# Altium PCB dvrk-s-pwm.PcbDoc (part 2 of 5)
Units mm, origin at the board's own origin, x right, y up, seen from the top; angles counter-clockwise.
Board outline 124 x 180 mm, 4 copper layers (Component Side, Ground Plane, Power Plane, Solder Side), stack 1.584 mm thick; 325 components, 238 nets, 1291 pads, 758 vias.
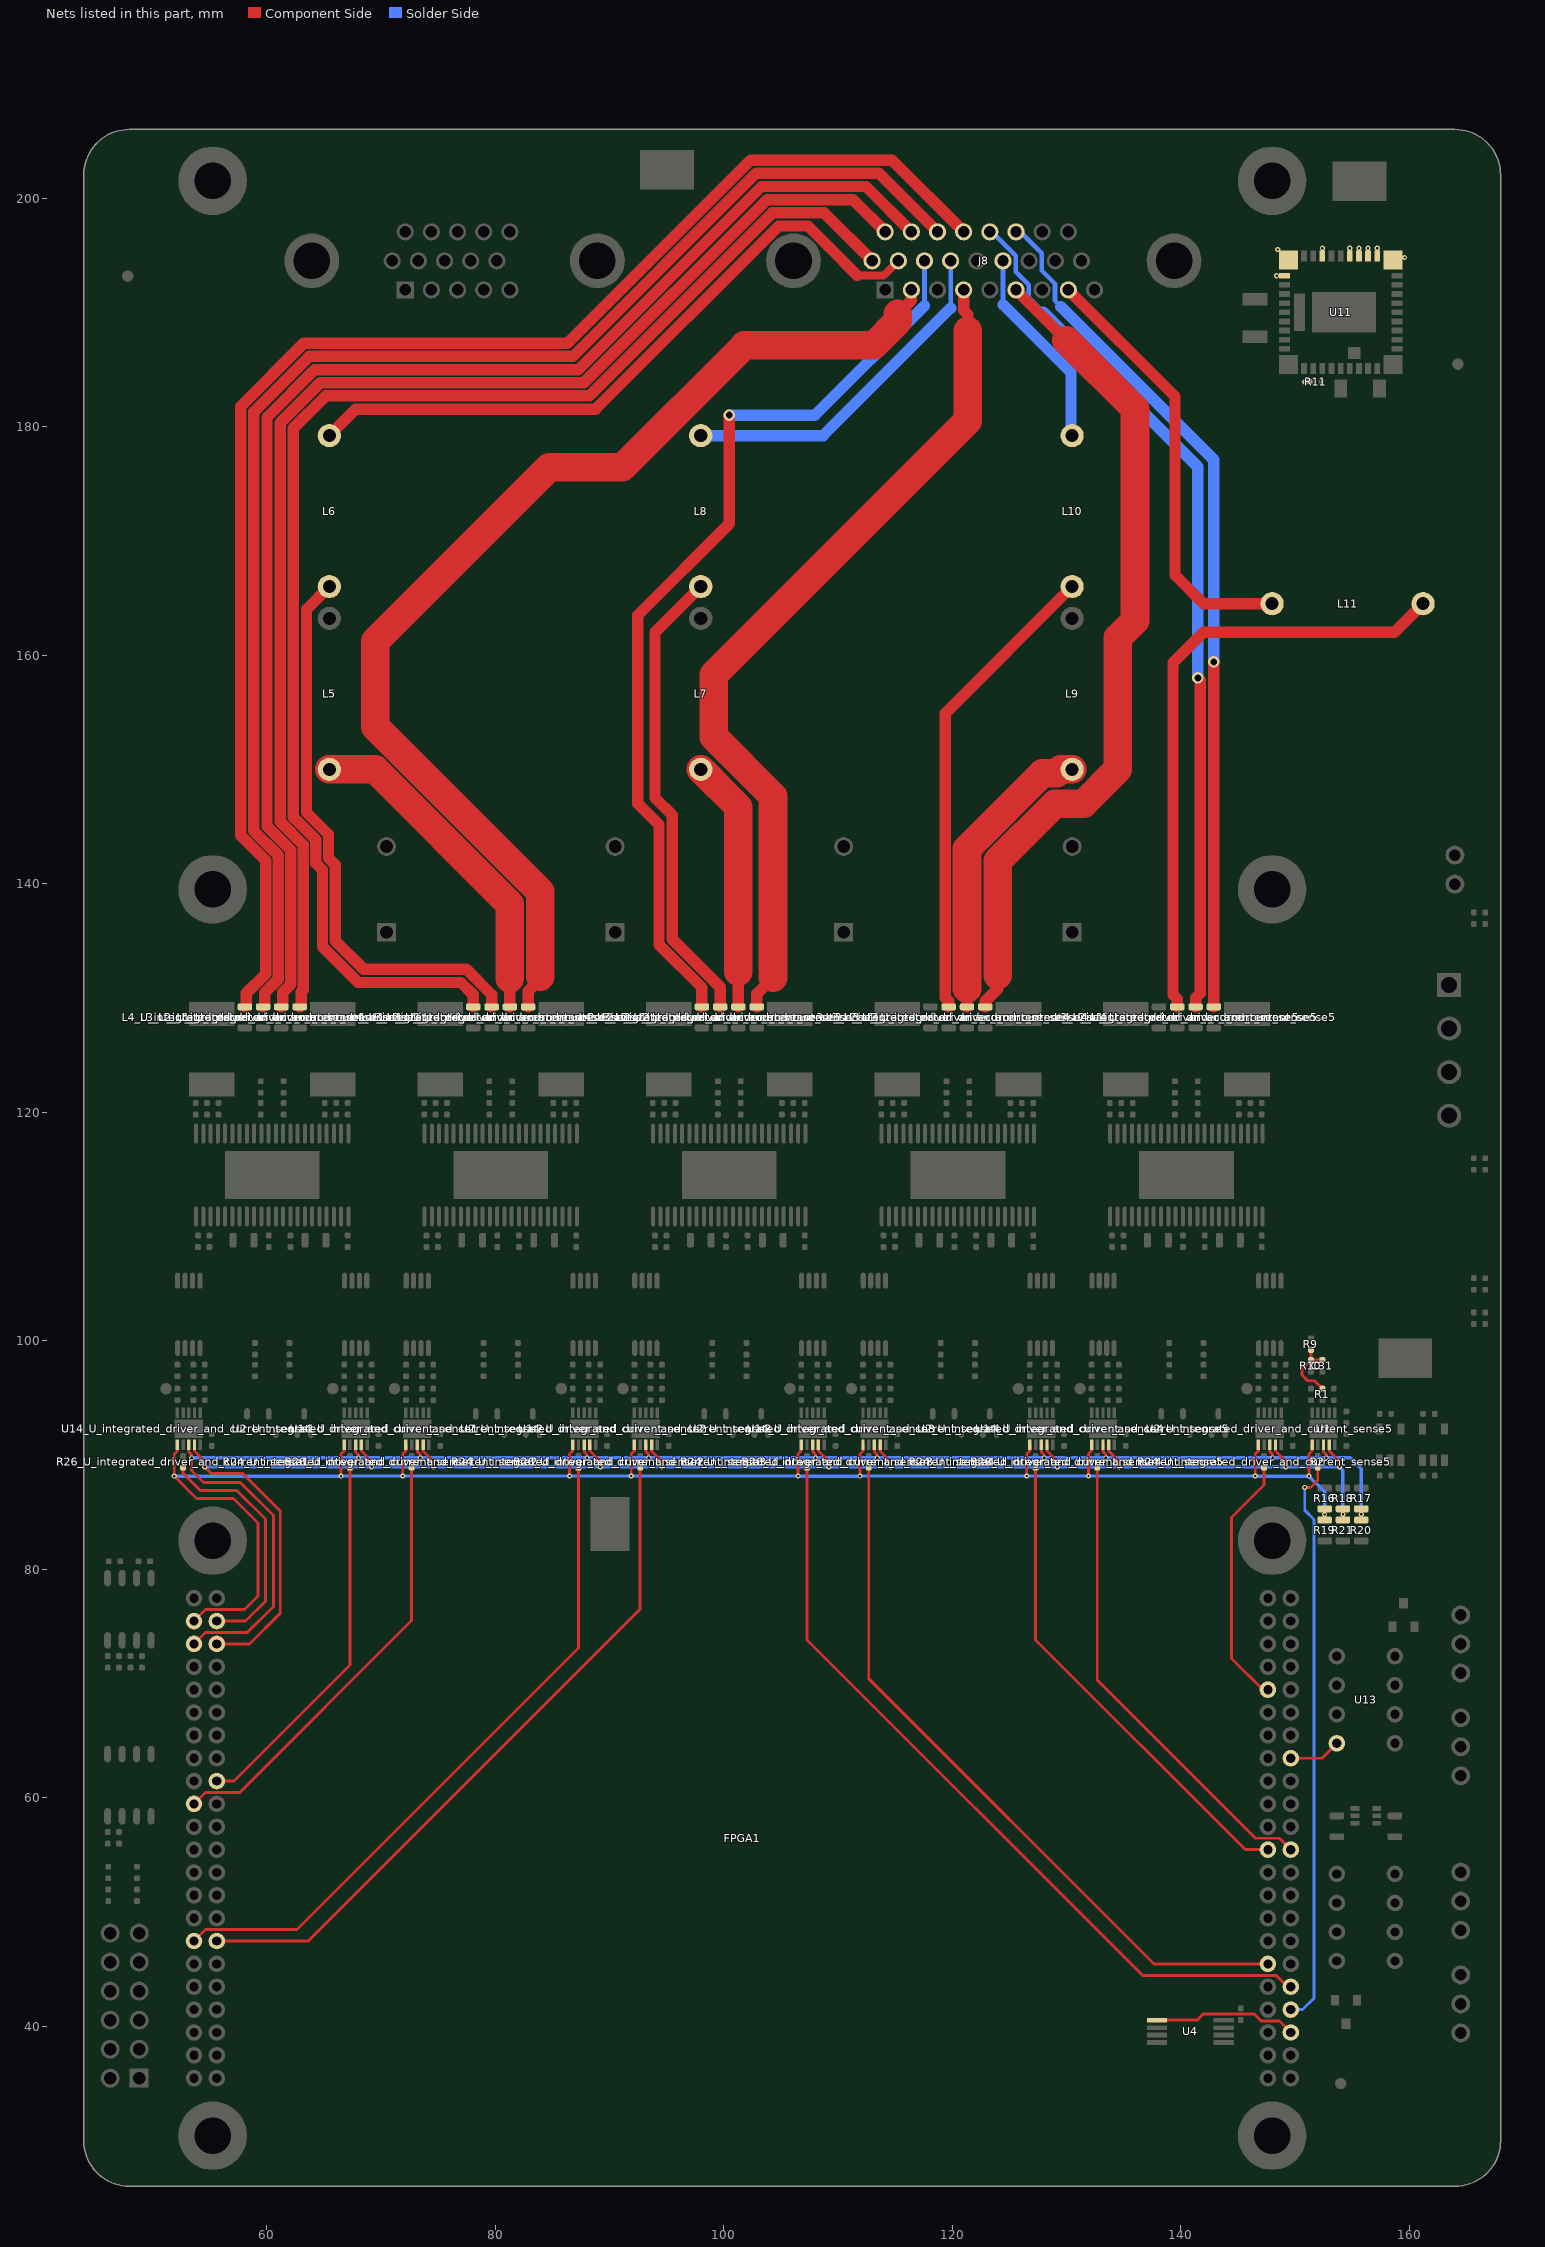
[diagram p4: the nets of this part, all layers, seen from the top]

## Components (designator, comment, footprint, x,y, rotation, side; value= is the part's Value field where it differs from the comment) (continued)
R33 "Res_0402" RES_0402 48.655,51.465 r270 top value=680
R34 "Res_0402" RES_0402 46.155,51.465 r270 top value=680
TP1 "5016" Testpoint_Keystone_Compact 159.655,98.465 r0 top
TP2 "5016" Testpoint_Keystone_Compact 90.055,83.965 r90 top
TP3 "5016" Testpoint_Keystone_Compact 155.655,201.465 r0 top
TP4 "5016" Testpoint_Keystone_Compact 95.055,202.465 r0 top
U1 "AD4008BCPZ-RL7" CP_10_9 152.5,92.3 r270 top value=Value
U2_U_integrated_driver_and_current_sense1 "AD4008BCPZ-RL7" CP_10_9 67.8,92.3 r270 top value=Value (schematic designator U2)
U2_U_integrated_driver_and_current_sense2 "AD4008BCPZ-RL7" CP_10_9 87.8,92.3 r270 top value=Value (schematic designator U2)
U2_U_integrated_driver_and_current_sense3 "AD4008BCPZ-RL7" CP_10_9 107.8,92.3 r270 top value=Value (schematic designator U2)
U2_U_integrated_driver_and_current_sense4 "AD4008BCPZ-RL7" CP_10_9 127.8,92.3 r270 top value=Value (schematic designator U2)
U2_U_integrated_driver_and_current_sense5 "AD4008BCPZ-RL7" CP_10_9 147.8,92.3 r270 top value=Value (schematic designator U2)
U3_U_integrated_driver_and_current_sense1 "DRV8412DDW" DDW44-7600X3850TP_N 60.5,114.5 r90 top value=Value (schematic designator U3)
U3_U_integrated_driver_and_current_sense2 "DRV8412DDW" DDW44-7600X3850TP_N 80.5,114.5 r90 top value=Value (schematic designator U3)
U3_U_integrated_driver_and_current_sense3 "DRV8412DDW" DDW44-7600X3850TP_N 100.5,114.5 r90 top value=Value (schematic designator U3)
U3_U_integrated_driver_and_current_sense4 "DRV8412DDW" DDW44-7600X3850TP_N 120.5,114.5 r90 top value=Value (schematic designator U3)
U3_U_integrated_driver_and_current_sense5 "DRV8412DDW" DDW44-7600X3850TP_N 140.5,114.5 r90 top value=Value (schematic designator U3)
U4 "25AA128" TSSOP-8 140.855,39.565 r270 top
U5 "SN65LVDS34D" SOIC127P600X175-8N 47.999,76.5 r90 top
U7 "MAX9112ESA" SOIC127P600X175-8N 48,61.1 r90 top
U8_U_integrated_driver_and_current_sense1 "INA240A1PW" PW0008A_N 67.8,102.3 r270 top (schematic designator U8)
U8_U_integrated_driver_and_current_sense2 "INA240A1PW" PW0008A_N 87.8,102.3 r270 top (schematic designator U8)
U8_U_integrated_driver_and_current_sense3 "INA240A1PW" PW0008A_N 107.8,102.3 r270 top (schematic designator U8)
U8_U_integrated_driver_and_current_sense4 "INA240A1PW" PW0008A_N 127.8,102.3 r270 top (schematic designator U8)
U8_U_integrated_driver_and_current_sense5 "INA240A1PW" PW0008A_N 147.8,102.3 r270 top (schematic designator U8)
U9 "LP5907MFX-3.3/NOPB" DBV0005A_N 162.125,90.9 r90 top
U10 "LP5907MFX-3.3/NOPB" DBV0005A_N 158.325,90.9 r90 top
U11 "LMZ34202RVQ" RVQ0043A 154,190 r270 top
U12 "RELAY DPDT" RELAY-G6K-2P 156.21,49.53 r90 top
U13 "RELAY DPDT" RELAY-G6K-2P 156.21,68.58 r270 top
U14_U_integrated_driver_and_current_sense1 "AD4008BCPZ-RL7" CP_10_9 53.2,92.3 r270 top value=Value (schematic designator U14)
U14_U_integrated_driver_and_current_sense2 "AD4008BCPZ-RL7" CP_10_9 73.2,92.3 r270 top value=Value (schematic designator U14)
U14_U_integrated_driver_and_current_sense3 "AD4008BCPZ-RL7" CP_10_9 93.2,92.3 r270 top value=Value (schematic designator U14)
U14_U_integrated_driver_and_current_sense4 "AD4008BCPZ-RL7" CP_10_9 113.2,92.3 r270 top value=Value (schematic designator U14)
U14_U_integrated_driver_and_current_sense5 "AD4008BCPZ-RL7" CP_10_9 133.2,92.3 r270 top value=Value (schematic designator U14)
U15_U_integrated_driver_and_current_sense1 "INA240A1PW" PW0008A_N 53.2,102.3 r270 top (schematic designator U15)
U15_U_integrated_driver_and_current_sense2 "INA240A1PW" PW0008A_N 73.2,102.3 r270 top (schematic designator U15)
U15_U_integrated_driver_and_current_sense3 "INA240A1PW" PW0008A_N 93.2,102.3 r270 top (schematic designator U15)
U15_U_integrated_driver_and_current_sense4 "INA240A1PW" PW0008A_N 113.2,102.3 r270 top (schematic designator U15)
U15_U_integrated_driver_and_current_sense5 "INA240A1PW" PW0008A_N 133.2,102.3 r270 top (schematic designator U15)

## Footprints (in the part's own frame and the unit in brackets; to place one, negate y for a bottom-side part, rotate by r counter-clockwise, add the part's x,y. Pads: shape width x height; smd on the part's side, far side on the other; paste and mask are expansions set on the pad)
1206_180 [mm]
  rect 1.1x1.6 smd: 1(-1.7,0) 2(1.7,0)
  silkscreen extent -0.9,-1 0.9,1, body extent -1.75,-0.95 1.75,0.95, height 1.8
1210_280 [mm]
  rect 1.1x2.2 smd: 1(-1.65,0) 2(1.65,0)
  silkscreen extent -0.84,-1.4 0.84,1.4, body extent -1.8,-1.4 1.8,1.4, height 2.8
2300LL [mil]
  round 80 hole 45 mask+2.01: 1(0,0) 2(520,0)
  silkscreen extent 0,-640 520,640, body extent -14,-584 540,590, height 1187
61301221121 [mm] "Pin Header, pitch 2.54 mm, THT, Vertical, dual row, 12p"
  rect 1.65x1.65 hole 1.1: 1(-6.35,-1.27)
  round 1.65 hole 1.1: 2(-6.35,1.27) 3(-3.81,-1.27) 4(-3.81,1.27) 5(-1.27,-1.27) 6(-1.27,1.27) 7(1.27,-1.27) 8(1.27,1.27) 9(3.81,-1.27) 10(3.81,1.27) 11(6.35,-1.27) 12(6.35,1.27)
  silkscreen extent -7.77,-2.54 7.77,2.54, body extent -7.62,-2.54 7.62,2.54, height 8.59
618015325223 [mm] "15 pins, right angled with Rivet"
  rect 1.5x1.5 hole 1: 1(4.32,2.54)
  round 1.5 hole 1: 2(2.03,2.54) 3(-0.26,2.54) 4(-2.55,2.54) 5(-4.84,2.54) 6(5.46,0) 7(3.17,0) 8(0.88,0) 9(-1.41,0) 10(-3.7,0) 11(4.32,-2.54) 12(2.03,-2.54) 13(-0.26,-2.54) 14(-2.55,-2.54) 15(-4.84,-2.54)
  round 4.8 hole 3.2: M1(-12.5,0) M2(12.5,0)
  silkscreen extent -15.4,-17.43 15.4,4.87, body extent -15.4,-17.43 15.4,4.87, height 12.75
618026325223 [mm] "26 pins, right angled with Rivet"
  rect 1.5x1.5 hole 1: 1(8.63,2.54)
  round 1.5 hole 1: 2(6.34,2.54) 3(4.05,2.54) 4(1.76,2.54) 5(-0.53,2.54) 6(-2.82,2.54) 7(-5.11,2.54) 8(-7.4,2.54) 9(-9.69,2.54) 10(9.77,0) 11(7.48,0) 12(5.19,0) 13(2.9,0) 14(0.61,0) 15(-1.68,0) 16(-3.97,0) 17(-6.26,0) 18(-8.55,0) 19(8.63,-2.54) 20(6.34,-2.54) 21(4.05,-2.54) 22(1.76,-2.54) 23(-0.53,-2.54) 24(-2.82,-2.54) 25(-5.11,-2.54) 26(-7.4,-2.54)
  round 4.8 hole 3.2: M1(-16.65,0) M2(16.65,0)
  silkscreen extent -19.6,-17.43 19.6,4.87, body extent -19.6,-17.43 19.6,4.87, height 12.75
691321300004 [mm] "Vertical PCB Header, pitch 3.81mm, 04p"
  rect 2.1x2.1 hole 1.4: 1(-5.715,-0.8)
  round 2.1 hole 1.4: 2(-1.905,-0.8) 3(1.905,-0.8) 4(5.715,-0.8)
  silkscreen extent -8.22,-3.6 8.21,3.6, body extent -8.22,-3.6 8.21,3.6, height 9.25
CAP_0402 [mil]
  rrect50% 20x20 smd: 1(-20,0) 2(20,0)
  silkscreen extent -7,-9 7,9, body extent -20,-10 20,10, height 20
CP_10_9 [mm]
  rect 0.905x0.3 smd: 1(-1.402,1) 2(-1.402,0.5) 3(-1.402,0) 4(-1.402,-0.5) 5(-1.402,-1) 6(1.402,-1) 7(1.402,-0.5) 8(1.402,0) 9(1.402,0.5) 10(1.402,1)
  rect 1.64x2.48 smd paste-1.227: 11(0,0)
  silkscreen extent -2.28,-1.63 1.63,1.63, body extent -1.55,-1.5 1.55,1.5, height 0.75
CRE2512-R5_R9 [mm]
  rect 2.1x4 smd: 1(-3.1,0) 2(3.1,0)
  silkscreen extent -1.6,-1.78 1.6,1.78, body extent -3.32,-1.77 3.32,1.77, height 0.9
DBV0005A_N [mm]
  rrect17% 1x0.6 smd: 1(-1.375,0.95) 2(-1.375,0) 3(-1.375,-0.95) 4(1.375,-0.95) 5(1.375,0.95)
  silkscreen extent -1.63,-1.55 0.38,1.55, body extent -1.42,-1.46 1.42,1.46, height 1.09
DDW44-7600X3850TP_N [mm] "TSOP, 44-Leads, Body 14x6.1mm, Pitch 0.635mm, Thermal Pad 8.3x4.2mm, IPC Medium Density"
  oval 1.75x0.35 smd: 1(-3.625,6.667) 2(-3.625,6.032) 3(-3.625,5.397) 4(-3.625,4.763) 5(-3.625,4.127) 6(-3.625,3.492) 7(-3.625,2.857) 8(-3.625,2.222) 9(-3.625,1.587) 10(-3.625,0.952) 11(-3.625,0.317) 12(-3.625,-0.318) 13(-3.625,-0.953) 14(-3.625,-1.588) 15(-3.625,-2.223) 16(-3.625,-2.858) 17(-3.625,-3.492) 18(-3.625,-4.127) 19(-3.625,-4.763) 20(-3.625,-5.397) 21(-3.625,-6.032) 22(-3.625,-6.667) 23(3.625,-6.667) 24(3.625,-6.032) 25(3.625,-5.397) 26(3.625,-4.763) 27(3.625,-4.127) 28(3.625,-3.492) 29(3.625,-2.857) 30(3.625,-2.222) 31(3.625,-1.587) 32(3.625,-0.952) 33(3.625,-0.317) 34(3.625,0.318) 35(3.625,0.953) 36(3.625,1.588) 37(3.625,2.223) 38(3.625,2.858) 39(3.625,3.492) 40(3.625,4.127) 41(3.625,4.763) 42(3.625,5.397) 43(3.625,6.032) 44(3.625,6.667)
  rect 4.2x8.3 smd: 45(0,0)
  silkscreen extent -3.75,-7.05 2.35,7.52, body extent -3.1,-7.05 3.1,7.05, height 1.2
Fiducial10-20 [mm]
  round 1 smd mask+0.5: 1(0,0)
  Component Side keep-out circle w1.178: c0,0 r0.5
FPGA-dummy [mil]
  round 57 / inner round 52 / far side round 57 hole 32: 1(14.37,1851.77) 2(-64.37,1851.77) 3(14.37,1773.03) 4(-64.37,1773.03) 5(14.37,1694.29) 6(-64.37,1694.29) 7(14.37,1615.55) 8(-64.37,1615.55) 9(14.37,1536.81) 10(-64.37,1536.81) 11(14.37,1458.07) 12(-64.37,1458.07) 13(14.37,1379.33) 14(-64.37,1379.33) 15(14.37,1300.59) 16(-64.37,1300.59) 17(14.37,1221.85) 18(-64.37,1221.85) 19(14.37,1143.11) 20(-64.37,1143.11) 21(14.37,1064.37) 22(-64.37,1064.37) 23(14.37,985.63) 24(-64.37,985.63) 25(14.37,906.89) 26(-64.37,906.89) 27(14.37,828.15) 28(-64.37,828.15) 29(14.37,749.41) 30(-64.37,749.41) 31(14.37,670.67) 32(-64.37,670.67) 33(14.37,591.93) 34(-64.37,591.93) 35(14.37,513.19) 36(-64.37,513.19) 37(14.37,434.45) 38(-64.37,434.45) 39(14.37,355.71) 40(-64.37,355.71) 41(14.37,276.97) 42(-64.37,276.97) 43(14.37,198.23) 44(-64.37,198.23) 45(3714.37,1851.77) 46(3635.63,1851.77) 47(3714.37,1773.03) 48(3635.63,1773.03) 49(3714.37,1694.29) 50(3635.63,1694.29) 51(3714.37,1615.55) 52(3635.63,1615.55) 53(3714.37,1536.81) 54(3635.63,1536.81) 55(3714.37,1458.07) 56(3635.63,1458.07) 57(3714.37,1379.33) 58(3635.63,1379.33) 59(3714.37,1300.59) 60(3635.63,1300.59) 61(3714.37,1221.85) 62(3635.63,1221.85) 63(3714.37,1143.11) 64(3635.63,1143.11) 65(3714.37,1064.37) 66(3635.63,1064.37) 67(3714.37,985.63) 68(3635.63,985.63) 69(3714.37,906.89) 70(3635.63,906.89) 71(3714.37,828.15) 72(3635.63,828.15) 73(3714.37,749.41) 74(3635.63,749.41) 75(3714.37,670.67) 76(3635.63,670.67) 77(3714.37,591.93) 78(3635.63,591.93) 79(3714.37,513.19) 80(3635.63,513.19) 81(3714.37,434.45) 82(3635.63,434.45) 83(3714.37,355.71) 84(3635.63,355.71) 85(3714.37,276.97) 86(3635.63,276.97) 87(3714.37,198.23) 88(3635.63,198.23)
  silkscreen extent -95,316 3754,1891, body extent -104,158 3753,1891, height 236
HDR-2x1-100 [mil]
  round 65 / inner round 60 / far side round 75 hole 40: 1(-50,0) 2(50,0)
  silkscreen extent -100,-115 100,115
HDR-3x1-100 [mil]
  round 65 / inner round 60 / far side round 75 hole 40: 1(100,0) 2(0,0) 3(-100,0)
  silkscreen extent -150,-115 150,115
IND_0805 [mil]
  rrect50% 24x50 smd: 1(-36,0) 2(36,0)
  silkscreen extent -12,-24 12,24, body extent -39,-25 39,25, height 39
LED_0402_RED [mil]
  rrect50% 20x20 smd: 1(-20,0) 2(20,0)
  silkscreen extent -6,-11 6,10, body extent -20,-10 20,10, height 18
PW0008A_N [mm] "SOP, 8-Leads, Body 4.5x3.1mm, Pitch 0.65mm, IPC Medium Density"
  oval 1.4x0.45 smd: 1(-2.95,0.975) 2(-2.95,0.325) 3(-2.95,-0.325) 4(-2.95,-0.975) 5(2.95,-0.975) 6(2.95,-0.325) 7(2.95,0.325) 8(2.95,0.975)
  silkscreen extent -3.07,-1.55 1.85,1.88, body extent -3.23,-1.5 3.23,1.5, height 1.2
RELAY-G6K-2P [mil]
  round 57 / inner round 52 / far side round 70 hole 32: 1(-150,-100) 2(-50,-100) 3(50,-100) 4(150,-100) 5(150,100) 6(50,100) 7(-50,100) 8(-150,100)
  silkscreen extent -200,-130 200,130
RES_0402 [mil]
  rrect50% 20x20 smd: 1(-20,0) 2(20,0)
  silkscreen extent -7,-10 7,10, body extent -20,-10 20,10, height 14
RES_0805 [mil]
  rrect50% 24x50 smd: 1(-36,0) 2(36,0)
  silkscreen extent -12,-24 12,24, body extent -39,-25 39,25, height 24
RVQ0043A [mm]
  rect 1.65x1.65 smd paste-0.225: 1(-4.575,4.575) 11(-4.575,-4.575) 21(4.575,-4.575) 31(4.575,4.575)
  rect 0.95x0.5 smd paste-0.025: 2(-4.925,3.2) 3(-4.925,2.4) 4(-4.925,1.6) 5(-4.925,0.8) 6(-4.925,0) 7(-4.925,-0.8) 8(-4.925,-1.6) 9(-4.925,-2.4) 10(-4.925,-3.2) 22(4.925,-3.2) 23(4.925,-2.4) 24(4.925,-1.6) 25(4.925,-0.8) 26(4.925,0) 27(4.925,0.8) 28(4.925,1.6) 29(4.925,2.4) 30(4.925,3.2)
  rect 0.5x0.95 smd paste-0.025: 12(-3.2,-4.925) 13(-2.4,-4.925) 14(-1.6,-4.925) 15(-0.8,-4.925) 16(0,-4.925) 17(0.8,-4.925) 18(1.6,-4.925) 19(2.4,-4.925) 20(3.2,-4.925) 32(3.2,4.925) 33(2.4,4.925) 34(1.6,4.925) 35(0.8,4.925) 36(0,4.925) 37(-0.8,4.925) 38(-1.6,4.925) 39(-2.4,4.925) 40(-3.2,4.925)
  rect 3.55x5.6 smd paste-1.78 mask-2: 41(0,0.3)
  rect 1.05x1.12 smd paste-1 mask+0: 42(3.575,1.187)
  rect 3.3x1 smd paste-0.5 mask+0: 43(0,-3.6)
  Component Side region: 1.6,-4.1 2.25,-4.1 2.25,-3.1 1.6,-3.1
  Component Side region: -2.25,-4.1 -1.6,-4.1 -1.6,-3.1 -2.25,-3.1
  Component Side region: 2.925,0.027 4.1,0.027 4.1,0.762 2.925,0.762
  Component Side region: 2.45,0.027 3.08,0.027 3.08,1.812 2.45,1.812
  Component Side region: 2.45,1.712 4.1,1.712 4.1,2.347 2.45,2.347
  silkscreen extent -5.65,-5.65 5.65,5.65, body extent -5.07,-5.07 5.07,5.07, height 4.41
SC70-6 [mil]
  rect 16x30 smd mask+1: 1(-25.59,-37.5) 2(0,-37.5) 3(25.59,-37.5) 4(25.59,37.5) 5(0,37.5) 6(-25.59,37.5)
  silkscreen extent -57,-47 45,25, body extent -42,-47 42,47, height 43
SOIC127P600X175-8N [mm]
  oval 1.45x0.6 smd: 1(-2.725,1.905) 2(-2.725,0.635) 3(-2.725,-0.635) 4(-2.725,-1.905) 5(2.725,-1.905) 6(2.725,-0.635) 7(2.725,0.635) 8(2.725,1.905)
  silkscreen extent -2.85,-2.5 1.6,2.88, body extent -2,-2.5 2,2.5, height 1.75
SOT-23 [mil]
  rect 28x36 smd mask+2: 1(-38,-40) 2(38,-40)
  rect 30x36 smd mask+2: 3(0,40)
  silkscreen extent -60,-35 60,35, body extent -60,-52 60,52, height 44
Testpoint_Keystone_Compact [mil]
  rect 185x135 smd: 1(0,0)
  silkscreen extent -110,-80 110,80, body extent -75,-56 75,56, height 91
TSSOP-8 [mil]
  rect 16x70 smd mask+1: 1(-38.39,-115) 2(-12.8,-115) 3(12.79,-115) 4(38.39,-115) 5(38.39,115) 6(12.8,115) 7(-12.8,115) 8(-38.39,115)
  silkscreen extent -66,-96 62,65
WCAP-ATG8_18x35.5x7.5 [mm] "Aluminum Electrolytic Capacitors, 18x35.5mm"
  rect 1.65x1.65 hole 1.1: 1(3.75,0)
  round 1.65 hole 1.1: 2(-3.75,0)
  silkscreen extent -9,-9 9,9, body extent -8.99,-9 9,9, height 35.81

## Part data
C1 C2 C3 C5_U_integrated_driver_and_current_sense1 C5_U_integrated_driver_and_current_sense2 C5_U_integrated_driver_and_current_sense3 C5_U_integrated_driver_and_current_sense4 C5_U_integrated_driver_and_current_sense5 C6_U_integrated_driver_and_current_sense1 C6_U_integrated_driver_and_current_sense2 C6_U_integrated_driver_and_current_sense3 C6_U_integrated_driver_and_current_sense4 C6_U_integrated_driver_and_current_sense5 C7_U_integrated_driver_and_current_sense1 C7_U_integrated_driver_and_current_sense2 C7_U_integrated_driver_and_current_sense3 C7_U_integrated_driver_and_current_sense4 C7_U_integrated_driver_and_current_sense5 C8_U_integrated_driver_and_current_sense1 C8_U_integrated_driver_and_current_sense2 C8_U_integrated_driver_and_current_sense3 C8_U_integrated_driver_and_current_sense4 C8_U_integrated_driver_and_current_sense5 C10_U_integrated_driver_and_current_sense1 C10_U_integrated_driver_and_current_sense2 C10_U_integrated_driver_and_current_sense3 C10_U_integrated_driver_and_current_sense4 C10_U_integrated_driver_and_current_sense5 C29_U_integrated_driver_and_current_sense1 C29_U_integrated_driver_and_current_sense2 C29_U_integrated_driver_and_current_sense3 C29_U_integrated_driver_and_current_sense4 C29_U_integrated_driver_and_current_sense5 C30_U_integrated_driver_and_current_sense1 C30_U_integrated_driver_and_current_sense2 C30_U_integrated_driver_and_current_sense3 C30_U_integrated_driver_and_current_sense4 C30_U_integrated_driver_and_current_sense5 C38_U_integrated_driver_and_current_sense1 C38_U_integrated_driver_and_current_sense2 C38_U_integrated_driver_and_current_sense3 C38_U_integrated_driver_and_current_sense4 C38_U_integrated_driver_and_current_sense5 C39_U_integrated_driver_and_current_sense1 C39_U_integrated_driver_and_current_sense2 C39_U_integrated_driver_and_current_sense3 C39_U_integrated_driver_and_current_sense4 C39_U_integrated_driver_and_current_sense5 C41_U_integrated_driver_and_current_sense1 C41_U_integrated_driver_and_current_sense2 C41_U_integrated_driver_and_current_sense3 C41_U_integrated_driver_and_current_sense4 C41_U_integrated_driver_and_current_sense5: "CAP, CERM, 0.1 µF, 16 V, +/- 10%, X7R, 0402", Cap_Case=0402, Manufacturer=MuRata, Supplier Part Number 1=490-4759-2-ND, TempCo=X7R, Tolerance_%=10, Value1=Unknown, Value2=16V, ValueDisplayed=0.1µF, AEC Category=Q200, AEC Qualified=?, Cap_F=0.0000001, ComponentLink1Description="Datasheet link", ComponentLink1URL=http://psearch.murata.com/capacitor/product/GCM155R71C104KA55%23.pdf, CompType=Capacitor, LatestRevisionDate=2016-03-12, MountType=SMT, PackageReference=0402, PartNumber=GCM155R71C104KA55D, Polarized=N, Published=2008-06-19, Publisher="Texas Instruments", RoHS=Y, Supplier 1=Digi-Key, SymbolVersion=2008-07-09, TaMax_C=125, TaMin_C=-55, Technology=Ceramic, U/M=EA, VDC_V=16
C4 C9_U_integrated_driver_and_current_sense1 C9_U_integrated_driver_and_current_sense2 C9_U_integrated_driver_and_current_sense3 C9_U_integrated_driver_and_current_sense4 C9_U_integrated_driver_and_current_sense5 C40_U_integrated_driver_and_current_sense1 C40_U_integrated_driver_and_current_sense2 C40_U_integrated_driver_and_current_sense3 C40_U_integrated_driver_and_current_sense4 C40_U_integrated_driver_and_current_sense5: "CAP, CERM, 0.1 µF, 16 V, +/- 10%, X7R, 0402", Cap_Case=0402, Manufacturer=MuRata, Supplier Part Number 1=490-4759-2-ND, TempCo=X7R, Tolerance_%=10, Value1=Unknown, Value2=16V, ValueDisplayed=10µF, AEC Category=Q200, AEC Qualified=?, Cap_F=0.0000001, ComponentLink1Description="Datasheet link", ComponentLink1URL=http://psearch.murata.com/capacitor/product/GCM155R71C104KA55%23.pdf, CompType=Capacitor, LatestRevisionDate=2016-03-12, MountType=SMT, PackageReference=0402, PartNumber=GCM155R71C104KA55D, Polarized=N, Published=2008-06-19, Publisher="Texas Instruments", RoHS=Y, Supplier 1=Digi-Key, SymbolVersion=2008-07-09, TaMax_C=125, TaMin_C=-55, Technology=Ceramic, U/M=EA, VDC_V=16
C11_U_integrated_driver_and_current_sense1 C11_U_integrated_driver_and_current_sense2 C11_U_integrated_driver_and_current_sense3 C11_U_integrated_driver_and_current_sense4 C11_U_integrated_driver_and_current_sense5 C12_U_integrated_driver_and_current_sense1 C12_U_integrated_driver_and_current_sense2 C12_U_integrated_driver_and_current_sense3 C12_U_integrated_driver_and_current_sense4 C12_U_integrated_driver_and_current_sense5 C13_U_integrated_driver_and_current_sense1 C13_U_integrated_driver_and_current_sense2 C13_U_integrated_driver_and_current_sense3 C13_U_integrated_driver_and_current_sense4 C13_U_integrated_driver_and_current_sense5 C14_U_integrated_driver_and_current_sense1 C14_U_integrated_driver_and_current_sense2 C14_U_integrated_driver_and_current_sense3 C14_U_integrated_driver_and_current_sense4 C14_U_integrated_driver_and_current_sense5 C15_U_integrated_driver_and_current_sense1 C15_U_integrated_driver_and_current_sense2 C15_U_integrated_driver_and_current_sense3 C15_U_integrated_driver_and_current_sense4 C15_U_integrated_driver_and_current_sense5 C16_U_integrated_driver_and_current_sense1 C16_U_integrated_driver_and_current_sense2 C16_U_integrated_driver_and_current_sense3 C16_U_integrated_driver_and_current_sense4 C16_U_integrated_driver_and_current_sense5 C17_U_integrated_driver_and_current_sense1 C17_U_integrated_driver_and_current_sense2 C17_U_integrated_driver_and_current_sense3 C17_U_integrated_driver_and_current_sense4 C17_U_integrated_driver_and_current_sense5 C18_U_integrated_driver_and_current_sense1 C18_U_integrated_driver_and_current_sense2 C18_U_integrated_driver_and_current_sense3 C18_U_integrated_driver_and_current_sense4 C18_U_integrated_driver_and_current_sense5 C19_U_integrated_driver_and_current_sense1 C19_U_integrated_driver_and_current_sense2 C19_U_integrated_driver_and_current_sense3 C19_U_integrated_driver_and_current_sense4 C19_U_integrated_driver_and_current_sense5 C20_U_integrated_driver_and_current_sense1 C20_U_integrated_driver_and_current_sense2 C20_U_integrated_driver_and_current_sense3 C20_U_integrated_driver_and_current_sense4 C20_U_integrated_driver_and_current_sense5 C21_U_integrated_driver_and_current_sense1 C21_U_integrated_driver_and_current_sense2 C21_U_integrated_driver_and_current_sense3 C21_U_integrated_driver_and_current_sense4 C21_U_integrated_driver_and_current_sense5 C22_U_integrated_driver_and_current_sense1 C22_U_integrated_driver_and_current_sense2 C22_U_integrated_driver_and_current_sense3 C22_U_integrated_driver_and_current_sense4 C22_U_integrated_driver_and_current_sense5 C23_U_integrated_driver_and_current_sense1 C23_U_integrated_driver_and_current_sense2 C23_U_integrated_driver_and_current_sense3 C23_U_integrated_driver_and_current_sense4 C23_U_integrated_driver_and_current_sense5 C24_U_integrated_driver_and_current_sense1 C24_U_integrated_driver_and_current_sense2 C24_U_integrated_driver_and_current_sense3 C24_U_integrated_driver_and_current_sense4 C24_U_integrated_driver_and_current_sense5 C25 C26 C27 C28 C31 C32 C33 C34 C35 C46: "Capacitor"
C36: "CAP, CERM, 10 µF, 50 V, +/- 10%, X5R, 1206", Cap_Case=1206_180, Manufacturer=TDK, Supplier Part Number 1=445-5998-1-ND, TempCo=X5R, Tolerance_%=10, Value1="0.002229 ohm", Value2=50V, ValueDisplayed=10µF, AEC Category=Q200, AEC Grade=N/A, AEC Qualified=N, Cap_F=0.00001, ComponentLink1Description="Datasheet link", ComponentLink1URL=https://product.tdk.com/en/search/capacitor/ceramic/mlcc/info?part_no=C3216X5R1H106K160AB, CompType=Capacitor, ESR_ohm=0.002229, IRMS_A=4.85932, LatestRevisionDate=2016-12-01, MountType=SMT, PackageReference=1206, PartNumber=C3216X5R1H106K160AB, Polarized=N, Published=2008-06-19, Publisher="Texas Instruments", RoHS=Y, SizeArea_mm2=5.12, SizeAreaWB_mm2=10.92, SizeX_mm=3.2, SizeY_mm=1.6, SizeZ_mm=1.8, Supplier 1=Digi-Key, Supplier 2=Mouser, Supplier Part Number 2=810-C3216X5R1H106K160AB, SymbolVersion=2008-07-09, TaMax_C=85, TaMin_C=-55, Technology=Ceramic, U/M=EA, VDC_V=50
C37: library part 12103D226MAT2A, "CAP CER 100UF 10V X5R 1210", Cap_Case=1210, Manufacturer=AVX, Supplier Part Number 1=581-12103D226MAT2A, TempCo=X5R, Tolerance_%=20, Value1=Unknown, Value2=25V, ValueDisplayed=100µF, AEC Category=Q200, AEC Grade=N/A, AEC Qualified=N, Cap_F=0.000022, ComponentLink1Description="Datasheet link", ComponentLink1URL=http://datasheets.avx.com/cx5r.pdf, CompType=Capacitor, LatestRevisionDate=2016-12-20, MountType=SMT, PackageReference=1210, PartNumber=GRM32ER61A107ME20K, Polarized=N, Published=2008-06-19, Publisher="Texas Instruments", RoHS=Y, SizeArea_mm2=8, SizeAreaWB_mm2=14.7, SizeX_mm=3.2, SizeY_mm=2.5, SizeZ_mm=2.8, Supplier 1=Mouser, Supplier 2=Farnell, Supplier 3=Newark, Supplier Part Number 2=1833830, Supplier Part Number 3=96M1536, SymbolVersion=2008-07-09, TaMax_C=85, TaMin_C=-55, Technology=Ceramic, U/M=EA, VDC_V=25
C42 C43 C44 C45: library part 860010481028, "Aluminum Electrolytic Capacitors, 18x35.5mm", Operating Temperature="-40 °C up to +85 °C", Rated Voltage="100 V", ComponentLink1Description=Manufacturer, ComponentLink1URL=http://www.we-online.de, ComponentLink2Description=Datasheet, ComponentLink2URL=http://katalog.we-online.de/pbs/datasheet/860010481028.pdf, Life Cycle=2000h, Part Number=860010481028, Published Date="Sep. 2017", Publisher="Wurth Elektronik", Size=18x35.5mm
D1 D2: library part ZENER-DUAL-CC, Voltage=15V
D3_U_integrated_driver_and_current_sense1 D3_U_integrated_driver_and_current_sense2 D3_U_integrated_driver_and_current_sense3 D3_U_integrated_driver_and_current_sense4 D3_U_integrated_driver_and_current_sense5 D4_U_integrated_driver_and_current_sense1 D4_U_integrated_driver_and_current_sense2 D4_U_integrated_driver_and_current_sense3 D4_U_integrated_driver_and_current_sense4 D4_U_integrated_driver_and_current_sense5 D5 D6 D7 D8 D9 D10: "LED"
FID1 FID2 FID3: "Fiducial mark.  There is nothing to buy or mount.", Manufacturer=N/A, ClassName=FiducialMark, ComponentLink1URL="Paste URL for datasheet here", CompType=Fiducial, LatestRevisionDate=2011-09-19, LatestRevisionNote="Added Alternate PartNumber and Alternate Manufacturer parameters to appropriate components.", MountType=N/A, PackageReference=Fiducial, PartNumber=N/A, Publisher="National Semiconductor", SymbolCreator=codlsc, SymbolVersion=2009-11-4
FPGA1: library part fpga_dummy, ClassName=noclearancecheck
J1: library part 618015325223, "WR-DSUB Female High Density Angled PCB Connector without Hex Screw, 15p", ComponentLink1Description=Manufacturer, ComponentLink1URL=http://www.we-online.de, ComponentLink2Description=Datasheet, ComponentLink2URL=http://katalog.we-online.de/em/datasheet/6180xx325223.pdf, PartNumber=618015325223, PinNumber=15, Published="June 2016", Publisher="Wurth Elektronik"
J2: "WR-TBL Serie 321 - 3.81 mm Vertical PCB Header, 04p", ComponentLink1Description=Manufacturer, ComponentLink1URL=http://www.we-online.de, ComponentLink2Description=Datasheet, ComponentLink2URL=http://katalog.we-online.de/em/datasheet/6913213000xx.pdf, Part Number=691321300004, Pin Number=04p, Pitch="3.81 mm", Published Date="Jan 2017", Publisher="Wurth Elektronik"
J3: library part "HEADER 2", Colour=White,Natural,Beige, Contact Current Rating=5A, Contact Resistance=6mR, Flammability Rating="UL94 V-0", Manufacturer="TE Connectivity", Manufacturer Part Number=640457-2, Max Operating Temperature=221°C, Max Voltage Rating (AC)=250V, Min Operating Temperature=-67°C, Supplier Part Number 1=A1926-ND, ComponentLink1Description=https://datasheet.ciiva.com/709/eng-cd-640457-s2-709682.pdf, ComponentLink1URL=https://datasheet.ciiva.com/709/eng-cd-640457-s2-709682.pdf, ComponentLink2Description=https://datasheet.ciiva.com/14640/70083657-14640359.pdf, ComponentLink2URL=https://datasheet.ciiva.com/14640/70083657-14640359.pdf, ComponentLink3Description=https://datasheet.ciiva.com/3118/eng-ds-82056-mta-0608-3118505.pdf, ComponentLink3URL=https://datasheet.ciiva.com/3118/eng-ds-82056-mta-0608-3118505.pdf, ComponentLink4Description=https://datasheet.ciiva.com/11750/0900766b806a960f-11750281.pdf, ComponentLink4URL=https://datasheet.ciiva.com/11750/0900766b806a960f-11750281.pdf, ComponentLink5Description=https://datasheet.ciiva.com/30192/8852eng-ds-82056-mta-0608-30192537.pdf, ComponentLink5URL=https://datasheet.ciiva.com/30192/8852eng-ds-82056-mta-0608-30192537.pdf, ComponentLink6Description=https://datasheet.ciiva.com/16395/eng-ds-82056-mta-0608-16395963.pdf, ComponentLink6URL=https://datasheet.ciiva.com/16395/eng-ds-82056-mta-0608-16395963.pdf, ComponentLink7Description=https://datasheet.ciiva.com/25618/0900766b80e9e25b-25618125.pdf, ComponentLink7URL=https://datasheet.ciiva.com/25618/0900766b80e9e25b-25618125.pdf, ComponentLink8Description=https://datasheet.ciiva.com/16505/eng-ds-82056-mta-0608-16505423.pdf, ComponentLink8URL=https://datasheet.ciiva.com/16505/eng-ds-82056-mta-0608-16505423.pdf, ComponentLink9Description=https://datasheet.ciiva.com/16656/eng-ds-82056-mta-0608-16656527.pdf, ComponentLink9URL=https://datasheet.ciiva.com/16656/eng-ds-82056-mta-0608-16656527.pdf, Contact Gender=Male, Contact Mating Length=0.295inch, Contact Plating=Tin, Current Rating=5A, Depth=11.04mm, ELV=Compliant, Fastening Type=Friction, Gender=Male, Lead Free="Lead Free", Mount="Through Hole", Number of Contacts=2, Orientation="Right Angle", Packaging=Bulk, Plating Thickness=3.81um, Pricing 1="1=0.14, 10=0.127, 100=0.0783, 500=0.06482, 1000=0.05672, 5000=0.04862, 10000=0.04727 (USD)", Radiation Hardening=No, REACH SVHC=Unknown, Shrouded="No (Without)", Stock 1=10901, Supplier 1=Digi-Key, system=connector, Termination=Solder, Termination Post Length=3.56mm, Voltage Rating=250V